# KiCad board FPGA-BOARDver3.kicad_pcb (continued)
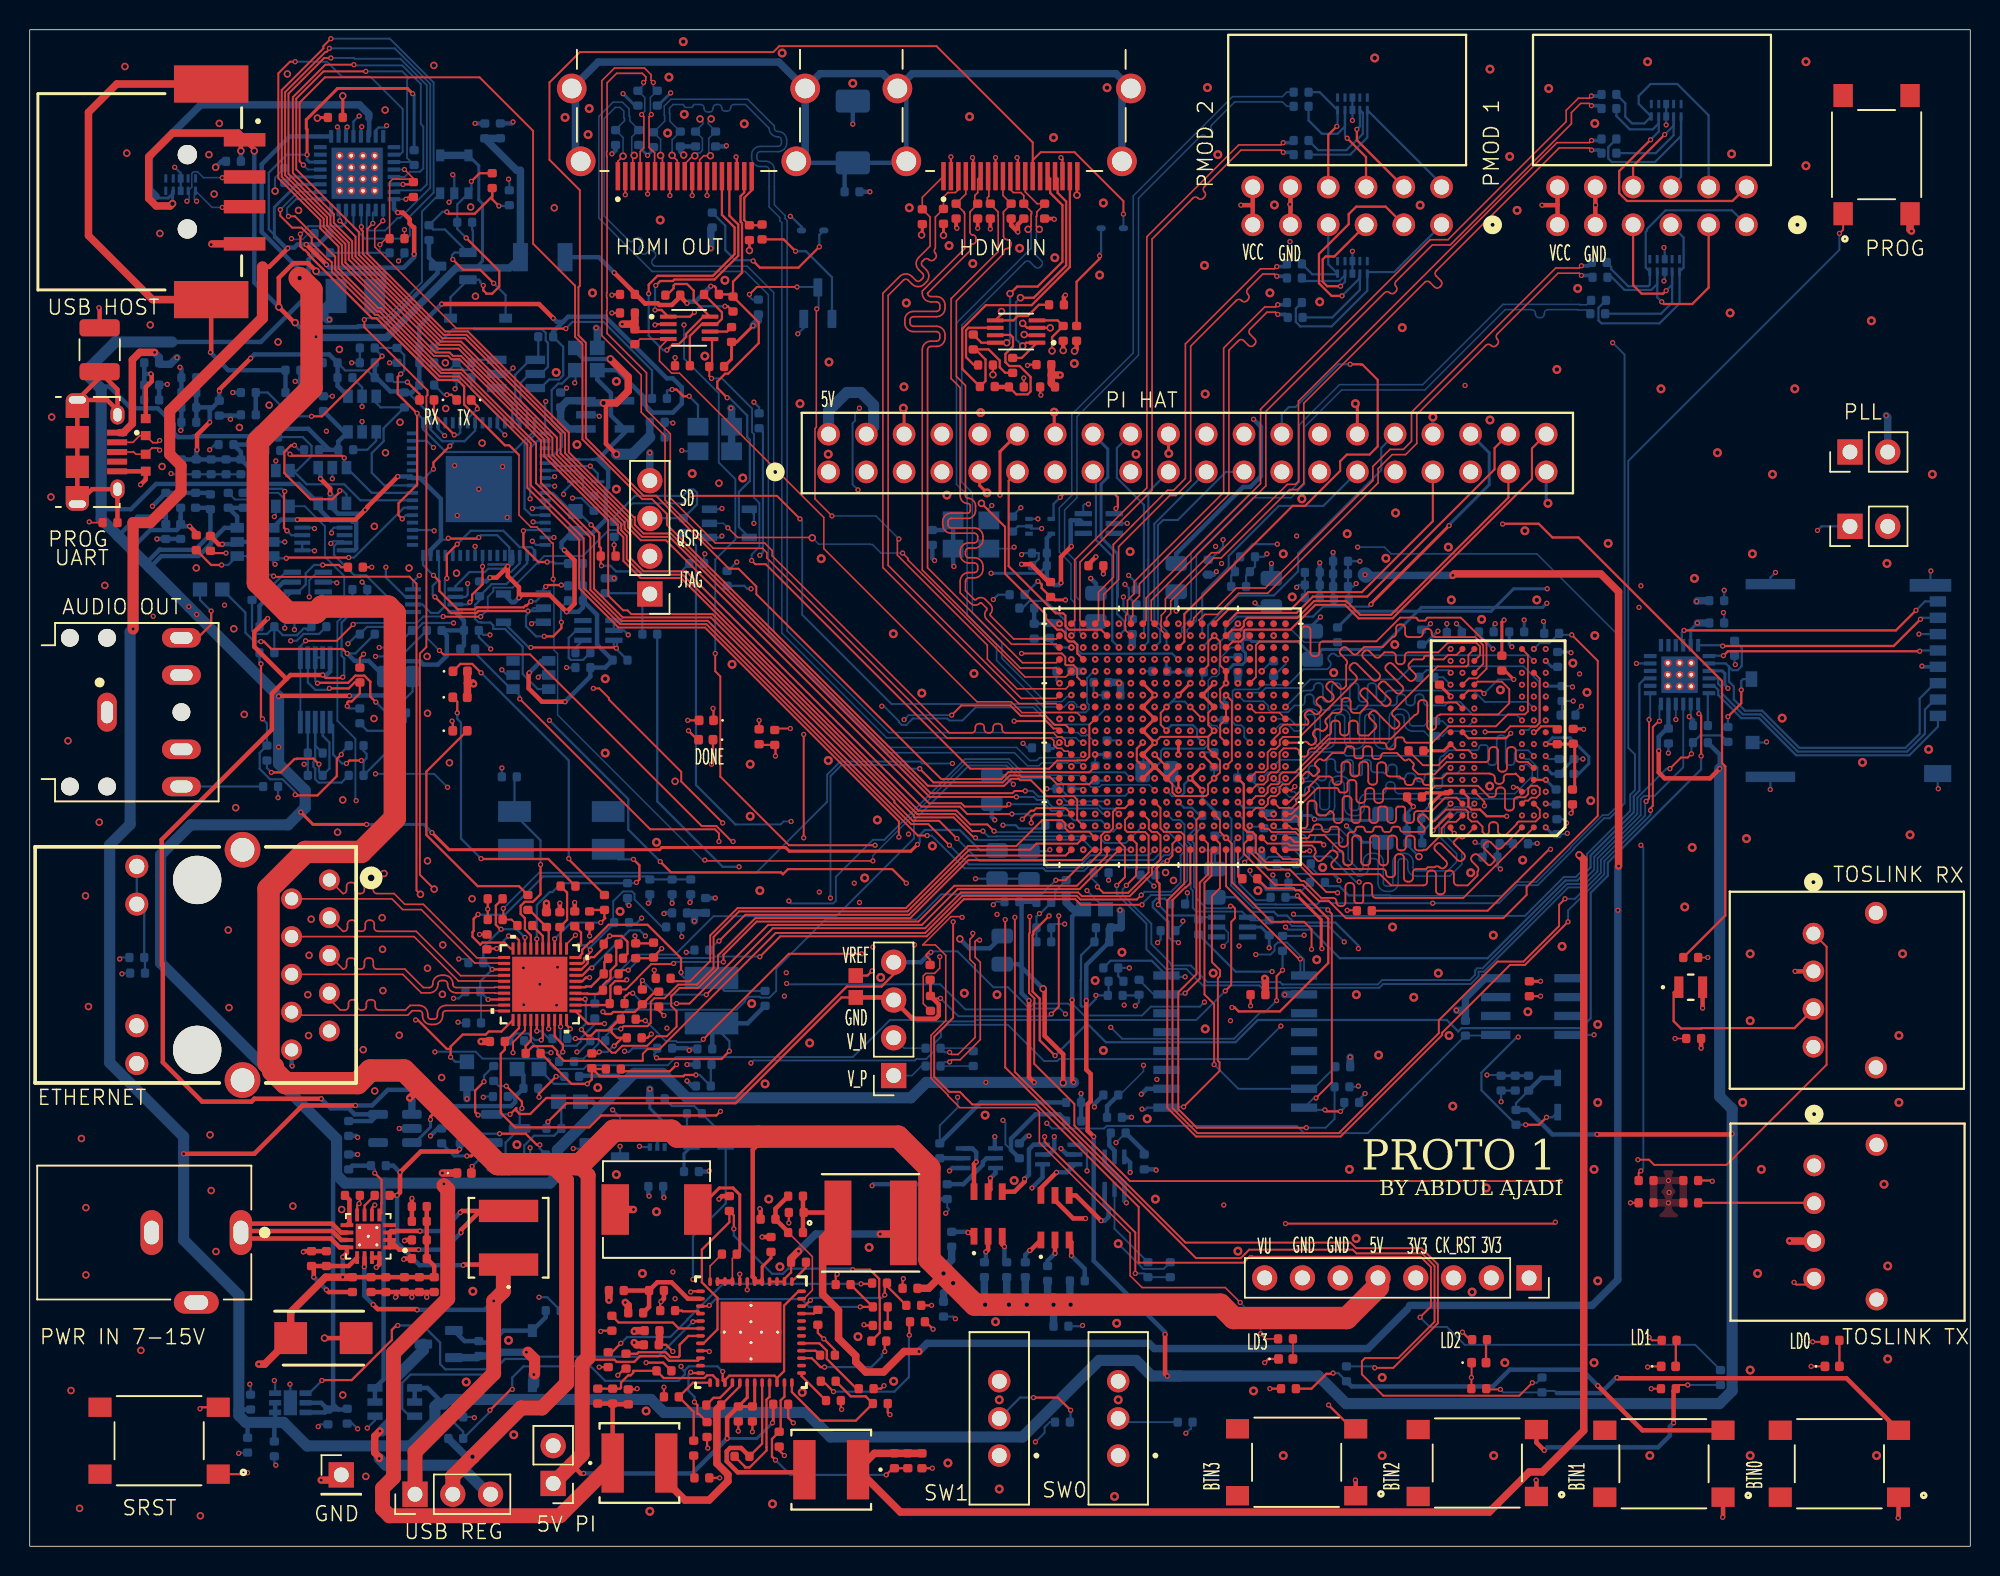
[diagram p0: board, top side]
## Routing (per net, layer and track width the routed paths; a pad name or vN(x,y) marks a point on that pad's centre or on a via; arc(x,y) is an arc through that point) (continued)
  SIGNAL.Cu w0.15: v1(23.5,60.45) 23.5,63.17 20.25,66.42 v1(20.25,67.45) ; v1(28.5,62.1) 29.6,63.2 v1(29.6,63.5)
  Bottom w0.15: v1(28.5,62.1) 26.44,62.1 25.94,61.6 R216.1 24.55,60.45 v1(23.5,60.45) ; U47.7 29.45,63.35 v1(29.6,63.5) ; U47.1 25.07,62.84 22.61,65.31 21.83,65.31 20.46,66.67 20.46,67.26 20.7,67.5 U46.7 21.07,67.6 20.4,67.6 v1(20.25,67.45) ; U3.24 v1(30.45,65.9)
/USB_JTAG_PROGRAMMING/BCBUS3: length 4
  Top w0.15: v1(28.55,74.75) 27.19,76.11 RX1.1
  Bottom w0.15: U3.54 28.95,74.9 28.8,74.75 v1(28.55,74.75)
/USB_JTAG_PROGRAMMING/BCBUS4: length 2
  Top w0.15: TX1.1 30.1,76.68 v1(30.1,76.5)
  Bottom w0.15: v1(30.1,76.5) 29.45,75.85 U3.55
/USB_JTAG_PROGRAMMING/BCBUS7: length 11.8
  SIGNAL.Cu w0.15: v1(36.1,77.9) 36.35,77.65 36.35,76.8 35.45,75.9 34.2,75.9 33.05,74.75 v1(31.95,74.75)
  Bottom w0.15: R217.1 29.7,77.84 31.45,76.09 U3.59 31.45,75.25 v1(31.95,74.75) ; v1(36.1,77.9) 35.8,77.6 R218.1
/USB_JTAG_PROGRAMMING/BDBUS0/TXD: length 16.2
  Top w0.15: R222.1 12.3,66.8 v1(13.2,66.8) ; v1(17.25,66.45) 17.3,66.5 v1(21.45,66.5)
  SIGNAL.Cu w0.15: v1(16.5,66.05) 14.25,66.05 13.5,66.8 v1(13.2,66.8)
  Bottom w0.15: U3.38 25.16,69.85 21.81,66.5 v1(21.45,66.5) ; v1(17.25,66.45) 16.5,66.45 U39.3 16.35,66.2 v1(16.5,66.05)
/USB_JTAG_PROGRAMMING/BDBUS1/RXD: length 14.1
  Bottom w0.15: U3.39 22.22,70.35 21.15,71.42 18.62,71.42 17.7,72.35 U42.3 17.97,72.35 18.95,73.33 18.95,74.01 18.36,74.6 R223.1
/USB_JTAG_PROGRAMMING/BDBUS2/RTS: length 10.4
  Top w0.15: v1(17.5,73.45) 17.6,73.35 21,73.35 v1(21.15,73.2)
  Bottom w0.15: U3.40 23,70.85 U43.3 21.15,72.7 v1(21.15,73.2) ; R225.1 17.25,73.7 v1(17.5,73.45)
/USB_JTAG_PROGRAMMING/BDBUS3/CTS: length 10.9
  Bottom w0.15: U3.41 23.85,71.35 23,72.2 23,73.53 23.8,74.32 23.8,75.2 R227.1 23.6,76.6 23.3,76.9 U44.3
/USB_JTAG_PROGRAMMING/D_N: length 32.3
  Top w0.104: v1(8.74,74.37) 8.59,74.23 8.27,74.23 CR6.2 7.39,74.7 6.94,74.25 J16.2
  SIGNAL2.Cu w0.11: 9.58,74.48 12.92,74.48 15.09,72.31 17.56,72.31 17.98,72.73 25.77,72.73 26.7,71.8 35.15,71.8 v1(35.3,71.95)
  SIGNAL2.Cu w0.127: 9.58,74.48 9.45,74.48 9.15,74.18 8.93,74.18 v1(8.74,74.37)
  Bottom w0.104: U3.7 35.2,71.85 v1(35.3,71.95)
/USB_JTAG_PROGRAMMING/D_P: length 32.1
  Top w0.104: v1(8.74,73.72) 8.59,73.87 8.22,73.87 CR7.2 7.14,73.45 6.97,73.62 6.94,73.6 J16.3
  SIGNAL2.Cu w0.11: 9.72,74.12 12.78,74.12 14.94,71.95 17.71,71.95 18.12,72.37 25.63,72.37 26.55,71.45 30.04,71.45 30.05,71.45 30.35,71.45 30.36,71.45 35.15,71.45 v1(35.3,71.3)
  SIGNAL2.Cu w0.127: 9.72,74.12 9.45,74.12 9.25,73.92 8.93,73.92 v1(8.74,73.72)
  Bottom w0.104: U3.8 35.25,71.35 v1(35.3,71.3)
/USB_JTAG_PROGRAMMING/EECLK: length 6.8
  Bottom w0.15: U3.62 32.75,75.76 32.75,76.91 32.65,77.01 32.65,78.79 33.66,79.8 U37.4 34.2,80 R208.2
/USB_JTAG_PROGRAMMING/EECS: length 15.6
  Bottom w0.15: R113.2 28.45,81.85 34.46,81.85 34.7,81.61 34.7,81.09 34.85,80.94 34.85,79.32 34.38,78.85 U37.5 33.61,78.85 33,78.24 33,77.01 33.45,76.56 U3.63
/USB_JTAG_PROGRAMMING/EEDATA: length 8.1
  Bottom w0.15: R209.2 27.67,79.12 28.23,79.12 R211.1 29.19,79.11 29.94,79.11 31.16,77.9 U37.1 32.45,76.85 U3.61
/USB_JTAG_PROGRAMMING/REF: length 4.2
  Bottom w0.15: R215.1 37.22,59.61 36.39,59.61 36.25,59.75 36.25,61.09 36.75,61.6 U40.5
/USB_JTAG_PROGRAMMING/SRST: length 1
  Bottom w0.15: R215.2 36.7,60.44 U40.4
/USB_JTAG_PROGRAMMING/VPHY: length 37.7
  SIGNAL2.Cu w0.15: v1(36.65,78.25) 36.6,78.3 28.52,78.3 28.14,77.92 17.74,77.92 17.52,78.15 v1(9.25,78.15)
  Bottom w0.15: v1(9.25,78.15) 8.75,78.15 C219.1 ; v1(36.65,78.25) 36.7,78.3 FL8.2 35.8,78.2 35.54,78.2 35.1,77.76 35.1,75.69 35.8,74.99 35.8,73.96 35.19,73.35 U3.4
  Bottom w0.3: C220.1 C219.1
/USB_JTAG_PROGRAMMING/VPLL: length 12.7
  Top w0.15: v1(37.75,68.7) 38.3,68.15 38.3,67.25 38.4,67.15 C212.1 38.4,66 v1(38.45,65.95)
  Bottom w0.15: v1(37.75,68.7) 37,69.45 36.93,69.37 ; U3.9 35.19,70.85 36.38,69.66 36.38,69.6 ; v1(38.45,65.95) 39.05,65.95 39.44,65.56 43.81,65.56 C213.1
AUD_PWM: length 57.4
  Top w0.127: U1.R18 70.44,58.46 70.44,59.01 70.2,59.26 69.69,59.26 69.64,59.31 69.64,59.81 69.4,60.05 v1(66.7,60.05)
  SIGNAL2.Cu w0.127: v1(18.8,63.85) 18.85,63.85 21.86,60.84 65.91,60.84 v1(66.7,60.05)
  Bottom w0.127: v1(18.8,63.85) 18.8,64.98 19.34,65.51 U21.1
AUD_SD: length 76.2
  Top w0.127: v1(51.8,69.1) 50.25,70.65 44.5,70.65 v1(44.5,70.7) ; v1(21.75,62) 20.65,60.9 v1(18.55,60.9) ; v1(30.33,62.52) 27.81,62.52 v1(27.8,62.53)
  Bottom w0.127: v1(30.33,62.52) 30.8,63 30.8,63.85 31.18,64.23 31.18,64.47 31.19,64.48 32.48,64.48 34.1,66.1 34.24,66.1 34.24,66.24 34.6,66.6 37.19,66.6 38.94,68.34 39.49,68.34 40.35,69.2 40.35,69.95 40.54,70.14 43.94,70.14 v1(44.5,70.7) ; v1(21.75,62) 21.85,62.1 26.04,62.1 26.47,62.53 v1(27.8,62.53) ; v1(71.64,58.84) 71.55,58.84 71.1,58.39 71.1,56.72 71.22,56.6 71.22,56.3 71,56.09 68.14,56.09 67.58,56.65 57.95,56.65 51.95,62.65 51.95,68.95 v1(51.8,69.1) ; U10.5 U10.6 18.2,60.55 v1(18.55,60.9)
BTN0: length 79.7
  Top w0.127: v1(66.75,48.9) 67.33,49.48 67.53,49.48 67.69,49.64 69.66,49.64 U1.D19 ; v1(65.6,42.15) 65.6,32.21 78.42,19.39 81.44,19.39 82.01,19.95 88.97,19.95 89.22,19.7 93.63,19.7 94.47,18.86 94.47,15.09 92.04,12.66 89.8,12.66 89.59,12.45 89.59,11.56 91.02,10.13 100.18,10.13 v1(101.05,11)
  SIGNAL.Cu w0.127: v1(65.6,42.15) 65.6,47.75 v1(66.75,48.9)
  Bottom w0.127: R27.2 101.35,11 v1(101.05,11)
BTN1: length 64.8
  Top w0.127: v1(66.25,42.3) 66.25,31.9 77.73,20.42 88.82,20.42 89.19,20.05 93.6,20.05 94.7,18.95 94.7,15 91.7,12 v1(90.45,12) ; v1(67.35,48.65) 67.35,49 67.6,49.25 U1.D20
  SIGNAL.Cu w0.127: v1(67.35,48.65) 66.25,47.55 v1(66.25,42.3)
  Bottom w0.127: R26.2 90.35,12.1 v1(90.45,12)
BTN2: length 101.4
  Top w0.127: v1(62.1,42) 62.1,35.55 60.83,34.27 60.83,31.57 61.84,30.56 62.55,30.56 62.76,30.35 62.76,30.34 63.39,29.71 67.68,29.71 74.58,22.82 74.58,19.07 81.62,19.07 82.05,19.5 82.2,19.5 82.23,19.47 93.53,19.47 94.23,18.78 94.23,16.13 v1(93.5,15.4) ; U1.L20 69.1,55 68.85,55 68.35,55.5 v1(66.2,55.5)
  SIGNAL.Cu w0.127: v1(66.2,55.5) 62.9,55.5 61.3,53.9 61.3,51.16 58.05,47.91 58.05,46.05 v1(62.1,42)
  Bottom w0.127: v1(93.5,15.4) 94.15,14.75 95.3,14.75 96.5,13.55 112,13.55 R25.2
BTN3: length 21.3
  Top w0.127: U1.L19 69.66,55.24 68.93,55.24 68.31,55.86 66.64,55.86 65.95,56.55 62.65,56.55 v1(62,55.9) ; R24.2 50.2,55 v1(51.15,55)
  SIGNAL.Cu w0.127: v1(51.15,55) 51.75,55.6 v1(58.8,55.6)
  Bottom w0.127: v1(62,55.9) 59.1,55.9 v1(58.8,55.6)
CK_RST: length 43.7
  SIGNAL.Cu w0.127: J7.3 95.75,28.65 88.75,35.65 88.75,40.3 v1(88.4,40.65)
  Bottom w0.127: v1(78.05,49.25) 78.42,48.88 78.42,48.3 77.88,47.76 77.88,47.38 78.07,47.19 78.07,44.25 78.21,44.1 78.21,42.94 78.46,42.69 81.52,42.69 U23.4 82.11,42.1 R45.1 83.51,41.95 84.24,41.95 84.3,42.01 84.6,42.01 84.9,41.71 87.34,41.71 v1(88.4,40.65)
CRYPTO_SDA: length 79.1
  SIGNAL2.Cu w0.127: v1(73.25,53.25) 72.85,52.85 64.95,52.85 64.39,52.29 61.47,52.29 56.38,47.19 56.38,47.17 55.05,45.84 55.05,39.18 56.47,37.75 59.1,37.75 v1(68.4,28.45)
  Bottom w0.127: v1(68.4,28.45) 68.75,28.1 72.26,28.1 72.43,28.27 85.21,28.27 85.7,27.79 89.99,27.79 R117.2 98.54,34.35 U4.5
CTS: length 2.4
  Bottom w0.15: R228.1 22.7,73.75 23.3,74.35 U44.4
DDR3_A0: length 26.7
  SIGNAL.Cu w0.128: v1(83.65,56.45) 86.28,59.08 86.28,59.63 87.85,61.2 88.33,61.2 arc(88.5,61.27) 88.57,61.44 88.57,61.96 arc(88.64,62.13) 88.81,62.2 88.93,62.2 arc(89.1,62.13) 89.17,61.96 89.17,60.44 arc(89.24,60.27) 89.41,60.2 89.53,60.2 arc(89.7,60.27) 89.77,60.44 89.77,61.96 arc(89.84,62.13) 90.01,62.2 90.13,62.2 arc(90.3,62.13) 90.37,61.96 90.37,61.44 arc(90.44,61.27) 90.61,61.2 91.99,61.2 92.44,60.75 98.64,60.75 100.2,59.19 100.46,59.19 100.8,58.85 100.8,58.4 v1(100.35,57.95)
DDR3_A1: length 27.7
  Top w0.118: IC1.P7 97.75,59.35 97.75,60.61 97.21,61.15 94.52,61.15 arc(94.35,61.22) 94.28,61.39 94.28,61.46 arc(94.21,61.63) 94.04,61.7 93.92,61.7 arc(93.75,61.63) 93.68,61.46 93.68,61.39 arc(93.61,61.22) 93.44,61.15 92.73,61.15 arc(92.56,61.22) 92.49,61.39 92.49,61.76 arc(92.42,61.93) 92.25,62 92.13,62 arc(91.96,61.93) 91.89,61.76 91.89,61.39 arc(91.82,61.22) 91.65,61.15 90.99,60.49 89.74,60.49 89.29,60.04 arc(89.12,59.97) 88.95,60.04 88.59,60.41 arc(88.42,60.48) 88.25,60.41 88.16,60.33 arc(88.09,60.16) 88.16,59.99 88.53,59.62 arc(88.6,59.45) 88.53,59.28 88.53,57.86 88.39,57.72 arc(88.22,57.65) 88.05,57.72 87.68,58.09 arc(87.51,58.16) 87.34,58.09 87.26,58.01 arc(87.19,57.84) 87.26,57.67 87.62,57.3 arc(87.7,57.13) 87.62,56.96 87.54,56.87 arc(87.37,56.8) 87.2,56.87 87.01,57.07 arc(86.84,57.14) 86.67,57.07 86.59,56.98 arc(86.52,56.81) 86.59,56.64 86.78,56.45 arc(86.85,56.28) 86.78,56.11 86.69,56.03 arc(86.52,55.96) 86.35,56.03 86.23,56.15 arc(86.06,56.22) 85.89,56.15 85.81,56.06 arc(85.74,55.89) 85.81,55.72 85.93,55.6 arc(86,55.43) 85.93,55.26 84.31,55.26 84.06,55.01 84.06,54.7 83.65,54.29 U1.K2
DDR3_A2: length 27.4
  SIGNAL.Cu w0.128: v1(100.35,58.75) 99.6,58.75 99.16,58.31 arc(99.08,58.28) 99.04,58.19 arc(99,58.1) 98.91,58.06 98.56,58.06 arc(98.48,58.1) 98.44,58.19 98.44,59.07 arc(98.37,59.24) 98.2,59.31 98.08,59.31 arc(97.91,59.24) 97.84,59.07 97.84,58.55 arc(97.77,58.38) 97.6,58.31 97.48,58.31 arc(97.34,58.37) 97.28,58.51 arc(97.22,58.66) 97.08,58.71 96.88,58.71 arc(96.74,58.66) 96.68,58.51 96.68,58 arc(96.61,57.83) 96.44,57.76 96.32,57.76 arc(96.15,57.83) 96.08,58 96.08,58.07 arc(96.01,58.24) 95.84,58.31 95.07,58.31 arc(94.9,58.24) 94.83,58.07 94.83,57.55 arc(94.76,57.38) 94.59,57.31 94.47,57.31 arc(94.3,57.38) 94.23,57.55 94.23,58.07 arc(94.16,58.24) 93.99,58.31 93.39,58.31 92.93,57.85 arc(92.86,57.68) 92.93,57.51 93.3,57.15 arc(93.37,56.98) 93.3,56.81 93.22,56.72 arc(93.05,56.65) 92.88,56.72 91.8,57.8 arc(91.63,57.87) 91.46,57.8 91.38,57.71 arc(91.31,57.54) 91.38,57.37 91.75,57.01 arc(91.82,56.84) 91.75,56.67 91.17,56.09 90.17,56.09 89.66,55.58 86.61,55.58 86.28,55.25 83.25,55.25 v1(82.85,55.65)
DDR3_A3: length 26.5
  SIGNAL2.Cu w0.126: v1(101.15,57.95) 101.27,57.95 101.64,57.59 102.06,57.59 102.33,57.31 102.33,55.42 101.3,54.39 100.27,54.39 100.2,54.31 99.45,54.31 99.42,54.34 arc(99.25,54.27) 99.18,54.1 99.18,53.58 arc(99.11,53.41) 98.94,53.34 98.82,53.34 arc(98.65,53.41) 98.58,53.58 98.58,54.1 arc(98.51,54.27) 98.34,54.34 97.03,54.34 96.79,54.1 96.79,53.71 96.67,53.59 92.57,53.59 91.93,54.22 88.97,54.22 arc(88.8,54.15) 88.73,53.98 88.73,53.91 arc(88.66,53.75) 88.49,53.67 88.37,53.67 arc(88.2,53.75) 88.13,53.91 88.13,53.98 arc(88.06,54.15) 87.89,54.22 83.02,54.22 v1(82.85,54.05)
DDR3_A4: length 25.1
  SIGNAL2.Cu w0.126: v1(96.35,58.75) 96.71,59.11 96.71,59.7 96.44,59.97 95.23,59.97 95.13,60.07 94.64,60.07 arc(94.47,60) 94.4,59.83 94.4,59.77 arc(94.33,59.6) 94.16,59.52 94.04,59.52 arc(93.87,59.6) 93.8,59.77 93.8,60.83 arc(93.73,61) 93.56,61.07 93.44,61.07 arc(93.27,61) 93.2,60.83 93.2,59.77 arc(93.13,59.6) 92.96,59.52 92.84,59.52 arc(92.67,59.6) 92.6,59.77 92.6,59.83 arc(92.53,60) 92.36,60.07 87.15,60.07 86.29,59.21 82.59,59.21 82.5,59.12 82.48,59.12 82.2,58.85 82.2,58.49 81.4,57.69 81.11,57.69 80.89,57.46 80.89,55.46 81.06,55.29 81.69,55.29 v1(82.05,55.65)
DDR3_A5: length 25.4
  Top w0.118: IC1.P2 101.55,58.35 101.55,55.38 101.33,55.15 99.57,55.15 99.19,54.77 v1(97.88,54.77)
  SIGNAL2.Cu w0.126: v1(97.88,54.77) 97.9,54.8 97.59,55.11 96.99,55.11 96.45,54.58 94.4,54.58 arc(94.23,54.51) 94.16,54.34 94.16,54.22 arc(94.09,54.05) 93.92,53.98 93.8,53.98 arc(93.63,54.05) 93.56,54.22 93.56,54.78 arc(93.5,54.92) 93.36,54.98 93.16,54.98 arc(93.02,54.92) 92.96,54.78 92.96,54.22 arc(92.89,54.05) 92.72,53.98 92.6,53.98 arc(92.43,54.05) 92.36,54.22 92.36,54.78 arc(92.3,54.92) 92.16,54.98 91.96,54.98 arc(91.82,54.92) 91.76,54.78 arc(91.7,54.64) 91.56,54.58 90.06,54.58 arc(89.92,54.64) 89.86,54.78 arc(89.8,54.92) 89.66,54.98 89.46,54.98 arc(89.32,54.92) 89.26,54.78 arc(89.2,54.64) 89.06,54.58 88.86,54.58 arc(88.72,54.64) 88.66,54.78 arc(88.6,54.92) 88.46,54.98 88.26,54.98 arc(88.12,54.92) 88.06,54.78 arc(88,54.64) 87.86,54.58 84.72,54.58 v1(84.45,54.85)
DDR3_A6: length 27.5
  SIGNAL.Cu w0.128: v1(82.04,54.84) 82.49,55.29 82.49,55.8 82.77,56.09 86.39,56.09 arc(86.46,56.26) 86.39,56.43 86.02,56.79 arc(85.95,56.96) 86.02,57.13 86.1,57.22 arc(86.27,57.29) 86.44,57.22 87.52,56.14 arc(87.69,56.07) 87.86,56.14 87.94,56.23 arc(88.01,56.4) 87.94,56.57 86.87,57.64 arc(86.8,57.81) 86.87,57.98 86.95,58.07 arc(87.12,58.14) 87.29,58.07 88.37,56.99 arc(88.54,56.92) 88.71,56.99 88.79,57.08 arc(88.86,57.25) 88.79,57.42 88.07,58.14 arc(88,58.31) 88.07,58.48 88.15,58.56 arc(88.32,58.63) 88.49,58.56 88.51,58.55 arc(88.68,58.48) 88.85,58.55 89.48,59.18 arc(89.65,59.25) 89.72,59.42 89.72,59.84 arc(89.79,60.01) 89.96,60.08 90.08,60.08 arc(90.25,60.01) 90.32,59.84 90.32,58.42 arc(90.39,58.25) 90.56,58.18 90.68,58.18 arc(90.85,58.25) 90.92,58.42 90.92,58.94 arc(90.99,59.11) 91.16,59.18 95.98,59.18 v1(96.35,59.55)
DDR3_A7: length 26.3
  Bottom w0.118: v1(82.05,54.05) 81.67,54.42 81.67,55.02 81.48,55.22 81.1,55.22 80.89,55.43 80.89,57.52 81.01,57.63 82.61,57.63 82.92,57.95 84.62,57.95 85.67,58.99 87.27,58.99 87.44,59.16 arc(87.51,59.33) 87.44,59.5 87.39,59.55 arc(87.32,59.72) 87.39,59.89 87.47,59.97 arc(87.64,60.04) 87.81,59.97 87.86,59.92 arc(88.03,59.85) 88.2,59.92 100.77,59.92 v1(101.15,59.55)
DDR3_A8: length 27.2
  Top w0.118: IC1.T8 95.95,59.95 95.38,59.95 95.08,59.65 94.49,59.65 arc(94.4,59.69) 94.36,59.77 arc(94.33,59.86) 94.24,59.9 93.89,59.9 arc(93.8,59.86) 93.76,59.77 arc(93.73,59.69) 93.64,59.65 93.04,59.65 92.79,59.39 arc(92.72,59.22) 92.79,59.06 93.15,58.69 arc(93.22,58.52) 93.15,58.35 93.07,58.26 arc(92.9,58.19) 92.73,58.26 91.66,59.34 arc(91.49,59.41) 91.32,59.34 91.23,59.25 arc(91.16,59.08) 91.23,58.91 92.31,57.84 arc(92.38,57.67) 92.31,57.5 92.22,57.41 arc(92.05,57.34) 91.88,57.41 91.19,58.11 arc(91.03,58.18) 90.87,58.11 90.76,58.01 arc(90.7,57.85) 90.76,57.69 91.46,56.99 arc(91.53,56.82) 91.46,56.65 91.37,56.57 arc(91.2,56.5) 91.03,56.57 89.96,57.64 arc(89.79,57.71) 89.62,57.64 89.53,57.56 arc(89.46,57.39) 89.53,57.22 89.9,56.85 arc(89.97,56.68) 89.9,56.51 89.44,56.05 89.07,56.05 arc(88.9,56.12) 88.83,56.29 88.83,56.81 arc(88.76,56.98) 88.59,57.05 88.47,57.05 arc(88.3,56.98) 88.23,56.81 88.23,56.29 arc(88.16,56.12) 87.99,56.05 87.6,56.05
  Top w0.126: 87.6,56.05 87.19,55.64 arc(87.13,55.48) 87.19,55.32 arc(87.26,55.16) 87.19,55 87.08,54.9 arc(86.93,54.83) 86.77,54.9 arc(86.61,54.96) 86.45,54.9 86.36,54.81 arc(86.29,54.64) 86.36,54.47 86.45,54.39 arc(86.52,54.22) 86.45,54.05 86.36,53.97 arc(86.19,53.89) 86.02,53.97 85.94,54.05 arc(85.77,54.12) 85.6,54.05 U1.K1
DDR3_A9: length 27
  SIGNAL.Cu w0.128: v1(100.35,59.55) 100.6,59.8 100.85,59.8 100.96,59.91 101.3,59.91 101.58,59.63 101.58,57.03 101.26,56.71 99.22,56.71 arc(99.05,56.64) 98.98,56.47 98.98,55.95 arc(98.91,55.78) 98.74,55.71 98.62,55.71 arc(98.45,55.78) 98.38,55.95 98.38,56.47 arc(98.31,56.64) 98.14,56.71 97.46,56.71 97.45,56.7 97.44,56.71 96.2,56.71 95.19,55.7 95.19,55.44 94.82,55.07 86.75,55.07 85.32,53.65 82.74,53.65 82.49,53.4 82.2,53.4 v1(82.05,53.25)
DDR3_A10: length 26.9
  SIGNAL.Cu w0.128: v1(81.25,50.85) 81.65,51.25 84.71,51.25 85.16,51.7 91.13,51.7 91.38,51.95 arc(91.54,52.02) 91.61,52.19 91.61,52.36 arc(91.69,52.53) 91.86,52.6 91.98,52.6 arc(92.14,52.53) 92.21,52.36 92.21,51.39 arc(92.29,51.22) 92.45,51.15 92.58,51.15 arc(92.74,51.22) 92.82,51.39 92.82,52.36 arc(92.89,52.53) 93.05,52.6 93.17,52.6 arc(93.34,52.53) 93.42,52.36 93.42,51.34 arc(93.49,51.17) 93.66,51.1 93.77,51.1 arc(93.94,51.17) 94.02,51.34 94.02,51.71 arc(94.09,51.88) 94.26,51.95 97.65,51.95 98.38,52.67 98.38,55.12 v1(97.15,56.35)
DDR3_A11: length 27.7
  Top w0.118: IC1.R7 97.53,59.93 97.53,60.52 97.27,60.77 95.38,60.77 94.72,60.12 92.71,60.12 arc(92.54,60.05) 92.47,59.88 92.47,59.56 arc(92.4,59.39) 92.23,59.32 92.11,59.32 arc(91.94,59.39) 91.87,59.56 91.87,59.88 arc(91.8,60.05) 91.63,60.12 91.1,60.12 90.8,59.83 arc(90.63,59.76) 90.46,59.83 90.1,60.2 arc(89.93,60.27) 89.76,60.2 89.67,60.11 arc(89.6,59.94) 89.67,59.77 90.75,58.7 arc(90.82,58.53) 90.75,58.36 90.66,58.27 arc(90.49,58.2) 90.32,58.27 89.25,59.35 arc(89.08,59.42) 88.91,59.35 88.82,59.26 arc(88.75,59.09) 88.82,58.92 89.19,58.56 arc(89.26,58.39) 89.19,58.22 85.41,54.44 84.29,54.44 84.06,54.21 84.06,53.89 83.81,53.64 83.49,53.64 83.25,53.4 83.25,52.3 83.01,52.06 82.46,52.06 U1.G4
DDR3_A12: length 27.7
  Top w0.118: U1.E4 82.46,50.46 83.01,50.46 83.25,50.7 83.25,51.02 83.48,51.25 83.95,51.25 84.05,51.35 84.05,51.85 84.25,52.05 85.1,52.05 87.36,54.31 91.54,54.31 93.14,55.91 arc(93.31,55.98) 93.38,56.15 93.38,56.67 arc(93.45,56.84) 93.62,56.91 93.74,56.91 arc(93.91,56.84) 93.98,56.67 93.98,55.15 arc(94.05,54.98) 94.22,54.91 94.34,54.91 arc(94.51,54.98) 94.58,55.15 94.58,55.67 arc(94.65,55.84) 94.82,55.91 94.85,55.95 98.75,55.95 99.5,56.7 99.5,57.65 98.99,58.15 97.35,58.15 IC1.N7
DDR3_A13: length 27.4
  Top w0.118: U1.D4 82.46,49.66 83.01,49.66 83.26,49.91 83.26,50.26 83.46,50.46 83.84,50.46 84.05,50.68 84.05,51.04 84.05,51.04 84.26,51.25 84.65,51.25 87.45,54.05 91.01,54.05 arc(91.17,53.98) 91.24,53.82 arc(91.3,53.67) 91.46,53.6 91.61,53.6 arc(91.77,53.67) 91.84,53.82 91.84,54.22 arc(91.89,54.35) 92.01,54.4 92.26,54.4 arc(92.39,54.35) 92.44,54.22 arc(92.49,54.1) 92.61,54.05 94.32,54.05 95.42,55.15 98.6,55.15 99.4,55.95 100.55,55.95 100.75,56.15 100.75,59.95 IC1.T3
DDR3_A14: length 27.5
  Top w0.118: U1.F4 82.15,50.85 82.54,51.24 82.99,51.24 83.25,51.5 83.25,51.82 83.48,52.05 83.85,52.05 84.05,52.25 84.05,53.4 84.31,53.66 85.13,53.66 arc(85.3,53.59) 85.37,53.42 85.37,53.35 arc(85.44,53.18) 85.61,53.11 85.73,53.11 arc(85.9,53.18) 85.97,53.35 85.97,53.42 arc(86.04,53.59) 86.21,53.66 86.4,53.66 87.27,54.53 arc(87.44,54.6) 87.51,54.77 87.51,55.29 arc(87.58,55.46) 87.75,55.53 87.87,55.53 arc(88.04,55.46) 88.11,55.29 88.11,54.77 arc(88.18,54.6) 88.35,54.53 88.47,54.53 arc(88.64,54.6) 88.71,54.77 88.71,55.29 arc(88.78,55.46) 88.95,55.53 89.07,55.53 arc(89.24,55.46) 89.31,55.29 89.31,54.77 arc(89.38,54.6) 89.55,54.53 90.03,54.53 90.49,54.99 arc(90.56,55.16) 90.49,55.33 90.12,55.7 arc(90.05,55.87) 90.12,56.04 90.21,56.12 arc(90.38,56.19) 90.55,56.12 91.62,55.05 arc(91.79,54.98) 91.96,55.05 92.05,55.13 arc(92.12,55.3) 92.05,55.47 91.68,55.84 arc(91.61,56.01) 91.68,56.18 94.67,59.17 96.63,59.17 96.75,59.3 96.75,59.95 IC1.T7
DDR3_BA0: length 26.4
  SIGNAL2.Cu w0.126: v1(81.25,54.85) 81.62,54.48 82.19,54.48 82.49,54.78 82.49,55 82.71,55.22 84.36,55.22 arc(84.53,55.3) 84.6,55.46 84.6,55.68 arc(84.67,55.85) 84.84,55.92 84.96,55.92 arc(85.13,55.85) 85.2,55.68 85.2,55.02 arc(85.26,54.88) 85.4,54.82 85.6,54.82 arc(85.74,54.88) 85.8,55.02 85.8,55.93 arc(85.87,56.1) 86.04,56.17 86.16,56.17 arc(86.33,56.1) 86.4,55.93 86.4,55.46 arc(86.47,55.3) 86.64,55.22 91.67,55.22 91.68,55.22 94.86,55.22 95.2,54.88 96.25,54.88 96.77,55.4 96.77,55.7 96.99,55.91 98.66,55.91 99.39,55.19 100.51,55.19 100.79,55.46 100.79,56.79 v1(101.15,57.15)
DDR3_BA1: length 27.1
  Top w0.118: IC1.N8 96.77,58.37 97.32,58.37 97.97,59.02 97.97,60.73 96.24,62.46 94.02,62.46 arc(93.95,62.43) 93.92,62.36 arc(93.89,62.29) 93.82,62.26 93.42,62.26 arc(93.35,62.29) 93.32,62.36 arc(93.29,62.43) 93.22,62.46 92.16,62.46 90.56,60.86 86.97,60.86 arc(86.8,60.79) 86.73,60.62 86.73,60.1 arc(86.66,59.93) 86.49,59.86 86.37,59.86 arc(86.2,59.93) 86.13,60.1 86.13,61.62 arc(86.06,61.79) 85.89,61.86 85.77,61.86 arc(85.6,61.79) 85.53,61.62 85.53,61.1 arc(85.46,60.93) 85.29,60.86 82.71,60.86 82.46,60.61 82.46,58.46 U1.R4
DDR3_BA2: length 26.6
  SIGNAL.Cu w0.128: v1(81.25,53.25) 81.63,53.63 82.28,53.63 82.49,53.84 82.49,54.2 82.77,54.48 85.83,54.48 86.7,55.35 91.38,55.35 arc(91.55,55.42) 91.62,55.59 91.62,56.11 arc(91.69,56.28) 91.86,56.35 91.98,56.35 arc(92.15,56.28) 92.22,56.11 92.22,55.59 arc(92.29,55.42) 92.46,55.35 92.58,55.35 arc(92.75,55.42) 92.82,55.59 92.82,56.11 arc(92.89,56.28) 93.06,56.35 93.18,56.35 arc(93.35,56.28) 93.42,56.11 93.42,55.59 arc(93.49,55.42) 93.66,55.35 94.34,55.35 94.8,55.81 arc(94.87,55.98) 94.8,56.15 94.43,56.52 arc(94.36,56.69) 94.43,56.86 94.51,56.94 arc(94.68,57.01) 94.85,56.94 95.22,56.57 arc(95.39,56.5) 95.56,56.57 95.95,56.96 95.95,57.26 96.22,57.53 96.64,57.53 96.9,57.8 98.04,57.8 98.9,56.95 100.15,56.95 v1(100.35,57.15)
DDR3_CAS: length 24.4
  Bottom w0.118: v1(100.35,55.55) 99.99,55.91 97.08,55.91 96.18,56.8 95.95,56.8 95.94,56.81 95.42,56.81 95.17,56.55 93.99,56.55 arc(93.82,56.62) 93.75,56.79 93.75,57.06 arc(93.68,57.23) 93.51,57.3 93.39,57.3 arc(93.22,57.23) 93.15,57.06 93.15,56.79 arc(93.08,56.62) 92.91,56.55 92.79,56.55 arc(92.62,56.62) 92.55,56.79 92.55,57.06 arc(92.48,57.23) 92.31,57.3 92.19,57.3 arc(92.02,57.23) 91.95,57.06 91.95,56.79 arc(91.88,56.62) 91.71,56.55 89.41,56.55 arc(89.32,56.51) 89.28,56.42 arc(89.24,56.34) 89.16,56.3 88.81,56.3 arc(88.72,56.34) 88.68,56.42 arc(88.64,56.51) 88.56,56.55 87.61,56.55 arc(87.5,56.51) 87.46,56.4 arc(87.41,56.29) 87.31,56.25 87.01,56.25 arc(86.9,56.29) 86.86,56.4 arc(86.81,56.51) 86.71,56.55 86.59,56.55 arc(86.42,56.62) 86.35,56.79 86.35,57.06 arc(86.28,57.23) 86.11,57.3 85.99,57.3 arc(85.82,57.23) 85.75,57.06 85.75,56.79 arc(85.68,56.62) 85.51,56.55 85.06,56.55 84.6,56.09 83.5,56.09 83.29,56.3 83.29,56.52 82.97,56.83 81.67,56.83 v1(81.25,57.25)
DDR3_CK_N: length 27.4
  Bottom w0.104: v1(83.65,55.65) 84.74,55.65 85.21,55.18 arc(85.36,55.24) 85.43,55.4 85.43,55.73 arc(85.6,56.14) 86.01,56.3 86.21,56.3 arc(86.61,56.14) 86.78,55.73 86.78,54.22 arc(86.85,54.07) 87.01,54 87.21,54 arc(87.36,54.07) 87.43,54.22 87.43,55.73 arc(87.6,56.14) 88.01,56.3 88.21,56.3 arc(88.61,56.14) 88.78,55.73 88.78,54.22 arc(88.85,54.07) 89.01,54 89.21,54 arc(89.36,54.07) 89.43,54.22 89.43,55.73 arc(89.6,56.14) 90.01,56.3 90.21,56.3 arc(90.61,56.14) 90.78,55.73 90.78,54.22 arc(90.85,54.07) 91.01,54 91.21,54 arc(91.36,54.07) 91.43,54.22 91.43,55.73 arc(91.6,56.14) 92.01,56.3 92.21,56.3 arc(92.61,56.14) 92.78,55.73 92.78,55.4 arc(92.85,55.24) 93.01,55.18 93.76,55.18 94.08,55.5 R5.2 95.02,55.5 95.34,55.18 96.76,55.18 v1(97.14,55.55)
DDR3_CK_P: length 27.5
  Bottom w0.104: v1(83.66,54.85) 84.11,55.29 84.59,55.29 85.06,54.82 85.21,54.82 arc(85.61,54.99) 85.78,55.4 85.78,55.73 arc(85.85,55.88) 86.01,55.95 86.21,55.95 arc(86.36,55.88) 86.43,55.73 86.43,54.22 arc(86.6,53.81) 87.01,53.65 87.21,53.65 arc(87.61,53.81) 87.78,54.22 87.78,55.73 arc(87.85,55.88) 88.01,55.95 88.21,55.95 arc(88.36,55.88) 88.43,55.73 88.43,54.22 arc(88.6,53.81) 89.01,53.65 89.21,53.65 arc(89.61,53.81) 89.78,54.22 89.78,55.73 arc(89.85,55.88) 90.01,55.95 90.21,55.95 arc(90.36,55.88) 90.43,55.73 90.43,54.22 arc(90.6,53.81) 91.01,53.65 91.21,53.65 arc(91.61,53.81) 91.78,54.22 91.78,55.73 arc(91.85,55.88) 92.01,55.95 92.21,55.95 arc(92.36,55.88) 92.43,55.73 92.43,55.4 arc(92.6,54.99) 93.01,54.82 93.76,54.82 94.08,54.5 R5.1 95.02,54.5 95.34,54.82 97.06,54.82 v1(97.14,54.75)
DDR3_CKE0: length 25.4
  SIGNAL2.Cu w0.126: v1(82.85,56.45) 82.85,56.96 83.91,58.02 90.2,58.02 arc(90.36,58.1) 90.44,58.27 90.44,58.78 arc(90.51,58.95) 90.67,59.02 90.8,59.02 arc(90.96,58.95) 91.04,58.78 91.04,57.27 arc(91.11,57.1) 91.27,57.02 91.39,57.02 arc(91.56,57.1) 91.64,57.27 91.64,58.78 arc(91.71,58.95) 91.88,59.02 91.99,59.02 arc(92.16,58.95) 92.23,58.78 92.23,57.27 arc(92.31,57.1) 92.48,57.02 92.6,57.02 arc(92.76,57.1) 92.83,57.27 92.83,57.78 arc(92.91,57.95) 93.08,58.02 93.55,57.55 93.94,57.55 arc(94.11,57.48) 94.18,57.31 94.18,56.84 arc(94.25,56.67) 94.42,56.6 94.54,56.6 arc(94.71,56.67) 94.78,56.84 94.78,57.31 arc(94.85,57.48) 95.02,57.55 96.08,57.55 96.52,57.1 96.52,56.56 95.55,55.58 v1(95.55,55.55)
DDR3_CS: length 25.8
  Bottom w0.118: v1(101.15,56.35) 100.71,56.79 97.85,56.79 97.09,57.55 91.41,57.55 arc(91.24,57.48) 91.17,57.31 91.17,57.04 arc(91.1,56.87) 90.93,56.8 90.81,56.8 arc(90.64,56.87) 90.57,57.04 90.57,57.81 arc(90.5,57.98) 90.33,58.05 90.21,58.05 arc(90.04,57.98) 89.97,57.81 89.97,57.04 arc(89.9,56.87) 89.73,56.8 89.61,56.8 arc(89.44,56.87) 89.37,57.04 89.37,57.81 arc(89.3,57.98) 89.13,58.05 89.01,58.05 arc(88.84,57.98) 88.77,57.81 88.77,57.04 arc(88.7,56.87) 88.53,56.8 88.41,56.8 arc(88.24,56.87) 88.17,57.04 88.17,57.81 arc(88.1,57.98) 87.93,58.05 87.81,58.05 arc(87.64,57.98) 87.57,57.81 87.57,57.04 arc(87.5,56.87) 87.33,56.8 87.21,56.8 arc(87.04,56.87) 86.97,57.04 86.97,57.81 arc(86.9,57.98) 86.73,58.05 86.61,58.05 arc(86.44,57.98) 86.37,57.81 86.37,57.79 arc(86.3,57.62) 86.13,57.55 85.67,57.55 85.63,57.51 85.51,57.51 v1(84.45,56.45)
DDR3_D0: length 27.2
  Top w0.118: IC1.E3 99.92,51.97 99.88,51.93 99.36,51.93 arc(99.19,51.86) 99.12,51.69 99.12,51.52 arc(99.05,51.35) 98.88,51.28 98.76,51.28 arc(98.59,51.35) 98.52,51.52 98.52,51.69 arc(98.45,51.86) 98.28,51.93 98.18,51.97 95.3,51.97 94.98,51.65 94.5,51.65 arc(94.34,51.58) 94.27,51.42 arc(94.21,51.27) 94.05,51.2 93.9,51.2 arc(93.74,51.27) 93.67,51.42 arc(93.61,51.58) 93.45,51.65 93.3,51.65 arc(93.14,51.58) 93.08,51.42 arc(93.01,51.27) 92.85,51.2 92.7,51.2 arc(92.54,51.27) 92.48,51.42 arc(92.41,51.58) 92.25,51.65 92.12,51.78 91.45,51.78 arc(91.29,51.85) 91.21,52.02 91.21,52.49 arc(91.14,52.66) 90.98,52.73 90.86,52.73 arc(90.69,52.66) 90.61,52.49 90.61,51.47 arc(90.54,51.3) 90.38,51.23 90.26,51.23 arc(90.09,51.3) 90.02,51.47 90.02,52.54 arc(89.94,52.71) 89.77,52.78 89.66,52.78 arc(89.49,52.71) 89.42,52.54 89.42,52.02 arc(89.34,51.85) 89.17,51.78 89.05,51.78 arc(88.89,51.85) 88.82,52.02 88.82,52.54 arc(88.74,52.71) 88.58,52.78 88.45,52.78 arc(88.29,52.71) 88.21,52.54 88.21,51.47 arc(88.14,51.3) 87.98,51.23 87.86,51.23 arc(87.69,51.3) 87.61,51.47 87.61,51.54 arc(87.54,51.71) 87.38,51.78 86.73,51.78 86.02,51.08 arc(86,51.01) 86.02,50.94 arc(86.05,50.86) 86.02,50.79 85.74,50.51 arc(85.67,50.48) 85.6,50.51 arc(85.53,50.54) 85.46,50.51 85.18,50.23 arc(85.15,50.16) 85.18,50.09 arc(85.21,50.02) 85.18,49.95 84.89,49.66 arc(84.82,49.63) 84.75,49.66 arc(84.68,49.69) 84.61,49.66 84.04,49.66 U1.E2
